# Allegro board BeagleBone-AI.brd (continued)
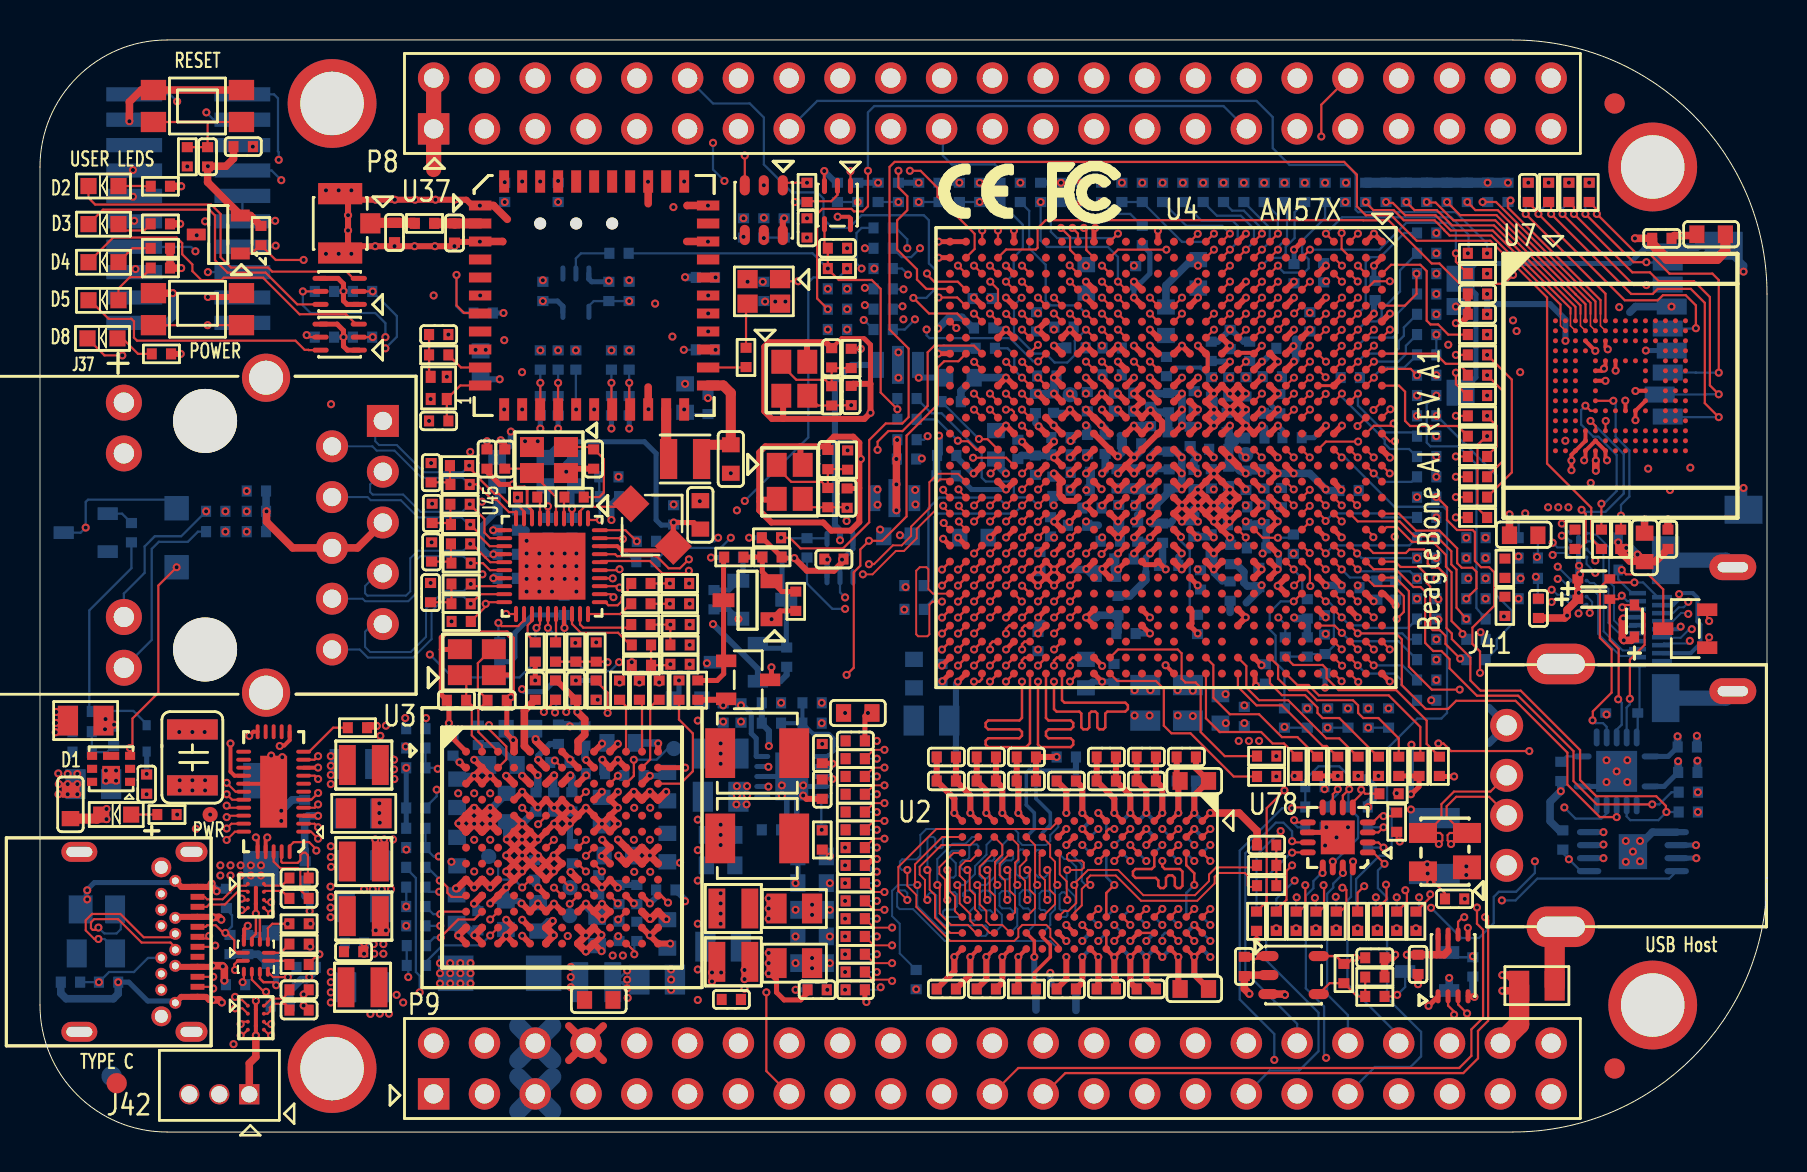
[diagram p0: board, top side]
## Copper pours and planes (outline as drawn; the poured copper is in the pictures) (continued)
GND on SIG_L5: 83.39,29.97 82.52,29.11 82.52,27.51 83.64,26.39 83.64,24.69 83.24,24.28 78.36,24.28 77.55,25.1 74.45,25.1 73.28,23.93 73.28,22.48 74.68,21.08 82.04,21.08 83.34,19.79 83.34,13.16 82.55,12.37 74.12,12.37 73.18,11.43 73.18,9.17 74.73,7.62 76.1,7.62 76.53,7.19 76.53,4.9 74.93,3.3 71.04,3.3 68.25,6.1 25.91,6.1 23.11,3.3 10.13,3.3 8.1,5.33 8.1,14.53 6.63,16 4.27,16 3.73,16.54 3.73,19.35 4.47,20.09 12.88,20.09 13.51,20.73 13.51,37.59 10.9,40.21 4.47,40.21 4.32,40.36 4.32,48.49 5.84,50.01 11.15,50.01 12.67,48.49 17.42,48.49 19.25,50.32 73.25,50.32 78.75,44.82 81.22,44.82 83.39,42.65 ; 17 cut-outs
GND on SIG_L8: 5.84,50.01 11.15,50.01 12.67,48.49 17.42,48.49 19.25,50.32 75.59,50.32 76.33,49.58 76.33,47.24 78.75,44.82 81.22,44.82 83.39,42.65 83.39,29.97 82.52,29.11 82.52,27.51 83.64,26.39 83.64,24.69 83.06,24.1 78.61,24.1 77.62,25.1 74.45,25.1 73.28,23.93 73.28,22.48 74.68,21.08 82.04,21.08 83.34,19.79 83.34,13.16 82.55,12.37 74.12,12.37 73.18,11.43 73.18,9.17 74.73,7.62 76.1,7.62 76.53,7.19 76.53,4.9 74.93,3.3 71.68,3.3 71.35,3.63 71.35,4.45 70.41,5.38 22.71,5.38 20.62,3.3 19.38,3.3 16.59,6.1 12.93,6.1 10.08,3.25 8.43,3.25 8.1,3.58 8.1,14.53 6.63,16 4.27,16 3.73,16.54 3.73,19.35 4.47,20.09 12.88,20.09 13.64,20.85 13.64,39.09 12.52,40.21 4.47,40.21 4.32,40.36 4.32,48.49 ; 22 cut-outs
GND on GND_L9: 5.84,50.01 11.15,50.01 12.67,48.49 17.42,48.49 19.25,50.32 75.54,50.32 76.3,49.56 76.3,47.27 78.75,44.82 81.22,44.82 83.39,42.65 83.39,29.97 82.52,29.11 82.52,27.51 83.64,26.39 83.64,24.69 83.06,24.1 78.61,24.1 77.62,25.1 74.45,25.1 73.28,23.93 73.28,22.48 74.68,21.08 82.04,21.08 83.34,19.79 83.34,13.16 82.55,12.37 74.12,12.37 73.18,11.43 73.18,9.17 74.73,7.62 76.1,7.62 76.53,7.19 76.53,4.9 74.93,3.3 19.58,3.3 16.64,6.25 12.9,6.25 10.52,3.86 9.27,3.86 8.84,4.29 8.84,5.51 8.1,6.25 8.1,14.53 6.63,16 4.27,16 3.73,16.54 3.73,19.35 4.47,20.09 12.88,20.09 13.61,20.83 13.61,27.38 12.73,28.27 9.73,28.27 8.84,29.16 8.84,31.55 10.06,32.77 13.28,32.77 13.51,32.99 13.51,39.22 12.52,40.21 4.47,40.21 4.32,40.36 4.32,48.49
GND on SIG_L10: 4.32,48.49 5.84,50.01 11.15,50.01 12.67,48.49 17.42,48.49 19.25,50.32 75.59,50.32 76.33,49.58 76.33,47.24 78.75,44.82 81.22,44.82 83.39,42.65 83.39,29.97 82.52,29.11 82.52,27.51 83.64,26.39 83.64,24.69 83.06,24.1 78.61,24.1 77.62,25.1 74.45,25.1 73.28,23.93 73.28,22.48 74.7,21.06 82.07,21.06 83.34,19.79 83.34,13.16 82.55,12.37 74.12,12.37 73.18,11.43 73.18,9.17 74.73,7.62 76.1,7.62 76.53,7.19 76.53,4.9 74.93,3.3 72.16,3.3 70.03,5.44 22.45,5.44 20.57,3.56 19.33,3.56 16.79,6.1 12.75,6.1 10.52,3.86 9.25,3.86 8.84,4.27 8.84,5.28 8.1,6.02 8.1,14.53 6.63,16 4.27,16 3.73,16.54 3.73,19.35 4.47,20.09 12.88,20.09 13.64,20.85 13.64,39.09 12.52,40.21 4.47,40.21 4.32,40.36 ; 10 cut-outs
GND on GND_L11: 5.84,50.01 11.15,50.01 12.67,48.49 17.42,48.49 19.25,50.32 75.59,50.32 76.33,49.58 76.33,47.24 78.75,44.82 81.22,44.82 83.39,42.65 83.39,29.97 82.52,29.11 82.52,27.51 83.64,26.39 83.64,24.69 83.06,24.1 78.61,24.1 77.62,25.1 74.45,25.1 73.28,23.93 73.28,22.48 74.68,21.08 82.04,21.08 83.34,19.79 83.34,13.16 82.55,12.37 74.12,12.37 73.18,11.43 73.18,9.17 74.73,7.62 76.1,7.62 76.53,7.19 76.53,4.9 74.93,3.3 19.58,3.3 16.64,6.25 12.9,6.25 10.52,3.86 9.27,3.86 8.84,4.29 8.84,5.51 8.1,6.25 8.1,14.53 6.63,16 4.27,16 3.73,16.54 3.73,19.35 4.47,20.09 12.88,20.09 13.61,20.83 13.61,27.38 12.73,28.27 9.73,28.27 8.84,29.16 8.84,31.55 10.06,32.77 13.28,32.77 13.51,32.99 13.51,39.22 12.52,40.21 4.47,40.21 4.32,40.36 4.32,48.49
GND_EARTH on TOP: 0.66,21.36 1.91,21.36 1.98,21.29 1.98,19.84 1.88,19.74 0.61,19.74 0.51,19.84 0.51,21.21
GND_EARTH on GND_L2, GND_L11: 6.38,0.53 2.31,2.26 0.63,6.35 0.63,48.26 2.31,52.3 6.35,53.97 7.37,53.97 7.37,53.57 5.28,53.57 2.36,50.65 2.36,39.22 3.38,38.2 12.17,38.2 12.27,38.1 12.27,37.49 12.01,37.24 11.02,37.24 10.82,37.44 2.9,37.44 2.29,36.83 2.29,22.58 2.92,21.95 10.16,21.95 10.67,22.45 11.4,22.45 11.73,22.12 11.73,21.56 11.53,21.36 3.15,21.36 2.62,20.83 2.62,14.99 2.87,14.73 7.14,14.73 7.72,14.15 7.72,13.92 7.62,13.82 7.04,13.82 6.88,13.97 2.79,13.97 1.42,12.6 1.42,5.86 1.42,5.87 2.44,4.85 6.55,4.85 6.93,5.23 7.44,5.23 7.65,5.03 7.65,4.88 6.3,3.53 6.3,1.68 6.93,1.04 75.9,1.04 79.25,4.39 79.25,7.44 77.29,9.4 74.93,9.4 74.73,9.6 74.73,10.74 74.96,10.97 83.64,10.97 84.4,11.73 84.4,21.67 83.54,22.53 75.16,22.53 74.78,22.91 74.78,23.27 75.13,23.62 76.94,23.62 77.29,23.27 83.79,23.27 84.58,24.05 84.58,44.15 75.16,53.57 7.39,53.57 7.39,53.97 75.21,53.97 82.74,49.93 85.73,41.91 85.73,12.7 82.77,4.7 75.34,0.53
VDD_1V8 on TOP: 56.54,29.46 56.9,29.46 57.33,29.03 57.71,29.03 57.78,28.96 57.78,28.45 57.35,28.02 56.85,28.02 56.41,28.45 56.41,29.34
VDD_1V8 on TOP: 54.61,39.47 58.42,39.47 58.65,39.24 58.65,38.1 58.5,37.95 58.12,37.95 57.99,38.07 57.99,38.2 57.56,38.63 55.88,38.63 55.75,38.76 54.76,38.76 54.56,38.96 54.56,39.42
VDD_1V8 on TOP: 51.44,28.63 53.47,28.63 53.62,28.47 53.62,27.74 53.54,27.66 53.24,27.66 52.91,27.99 51.41,27.99 51.33,28.07 51.33,28.52
VDD_1V8 on BOTTOM: 54.51,38.65 58.07,38.65 58.07,39.71 58.05,39.71 58.05,40.1 57.86,40.29 54.71,40.29 54.51,40.1
VDD_1V8 on BOTTOM: 50.19,31.06 50.72,31.06 51.26,31.6 52.35,31.6 52.48,31.47 52.48,31.04 52.32,30.89 51.26,30.89 51,30.63 51,30.45 50.88,30.33 50.24,30.33 50.11,30.45 50.11,30.99
VDD_1V8 on INT_L3: 61.47,32.42 62.65,31.23 62.65,28.4 62.15,27.9 62.15,27.88 56.96,27.88 56.77,28.07 56.77,30.67 56.32,31.12 51.18,31.12 50.93,30.86 50.93,30.42 50.86,30.35 49.83,30.35 49.53,30.66 49.53,38.73 51.17,40.37 51.17,40.63 51.86,40.63 52.15,40.34 52.16,40.34 52.47,40.03 60.3,40.03 61.47,38.86
VDD_1V8 on PWR_L6: 55.63,30.96 56.3,30.29 56.3,29.65 56.73,29.22 57.19,29.22 57.57,28.84 57.57,25.36 56.06,23.85 37.71,23.85 36.8,22.95 33.21,22.95 33.07,23.09 33.07,29.67 34.37,30.96
VDD_1V8 on SIG_L8: 24.6,16.47 30.9,16.47 31.61,17.18 31.61,19.9 34.25,22.54 36.49,22.54 37.05,23.1 37.05,25.62 36.82,25.84 34.81,25.84 33.21,24.24 31.41,24.24 29.5,22.34 29.5,20.31 28.31,19.11 25.03,19.11 24.42,18.5 24.42,16.65
VDD_1V8 on SIG_L8: 61.16,28.57 62.43,28.57 62.99,29.13 67.69,29.13 68.22,29.67 69.85,29.67 71.4,28.12 72.72,28.12 73.53,27.3 73.53,25.68 72.9,25.04 71.35,25.04 70.89,25.5 70.89,26.42 69.95,27.36 69.95,27.53 69.96,27.55 69.96,27.9 69.6,28.27 68.55,28.27 67.87,27.58 63.78,27.58 62.89,26.7 61.62,26.7 60.86,27.46 60.86,28.27
VDD_3V3 on TOP: 57.35,42.77 57.96,42.77 58.06,42.67 58.06,41.3 57.86,41.1 57.43,41.1 57.23,41.3 57.23,42.65
VDD_3V3 on TOP: 72.77,28.5 72.77,28.8 72.44,29.13 72.16,29.13 71.98,29.31 71.98,29.87 72.19,30.07 72.82,30.07 72.87,30.02 72.87,29.26 73,29.13 73.46,29.13 73.58,29.01 73.58,28.45 73.51,28.37 72.9,28.37
VDD_3V3 on TOP: 47.52,40.26 48.69,40.26 48.79,40.16 48.79,39.52 48.69,39.42 47.5,39.42 47.42,39.5 47.42,40.16
VDD_3V3 on TOP: 54.56,42.75 55.17,42.75 55.27,42.65 55.27,41.22 55.14,41.1 54.69,41.1 54.51,41.27 54.51,42.7
VDD_3V3 on TOP: 63.83,27.89 65.28,27.89 65.46,27.71 65.46,27.36 65.3,27.2 64.03,27.2 63.78,27.46 63.78,27.84
VDD_3V3 on TOP: 63.98,31.95 63.2,32.74 62.1,32.74 61.67,32.31 61.39,32.31 61.26,32.44 61.26,32.61 61.39,32.74 61.39,33.45 61.42,33.48 62.59,33.48 63.02,33.05 65.25,33.05 65.41,32.89 65.41,32.08 65.28,31.95
VDD_3V3 on TOP: 62.23,42.77 62.74,42.77 62.81,42.7 62.81,41.88 62.89,41.81 64.31,41.81 64.39,41.73 64.39,41.5 64.16,41.27 63.83,41.27 63.5,41.61 63.04,41.61 62.66,41.22 62.31,41.22 62.13,41.4 62.13,42.67
VDD_3V3 on TOP: 52.15,42.77 52.7,42.77 52.86,42.62 52.86,41.25 52.78,41.17 52.27,41.17 52.1,41.35 52.1,42.72
VDD_3V3 on BOTTOM: 32.72,21.15 35.31,21.15 35.31,21.72 34.8,22.23 32.87,22.23 32.72,22.07
VDD_3V3 on BOTTOM: 28.21,8.51 30.37,8.51 30.48,8.39 30.48,6.6 30.35,6.48 28.21,6.48
VDD_3V3 on INT_L3: 51.74,48.95 65.63,48.95 66.61,47.97 66.61,47.21 66.36,46.95 65.39,46.95 65.27,46.82 65.27,42.43 64.27,41.44 52.39,41.44 50.99,42.84 50.99,48.2
VDD_3V3 on INT_L3: 35.51,19.69 30.8,14.97 28.23,14.97 27.75,15.46 27.75,18.1 28.96,19.3 31.22,19.3 34.49,22.58 35.36,22.58 35.51,22.43
VDD_3V3 on INT_L3: 68.12,27.43 66.29,29.26 64.92,29.26 64.74,29.08 64.74,28.73 65.28,28.19 66.19,28.19 66.98,27.41 66.98,26.44 66.37,25.83 66.37,24.39 66.06,24.08 63.17,24.08 62.51,24.74 62.51,27.64 62.92,28.04 62.92,29.92 63.25,30.25 65.43,30.25 65.79,30.61 69.49,30.61 70.26,29.85 70.26,27.61 70.08,27.43
VDD_3V3 on SIG_L5: 31.89,38.95 33.57,37.27 33.57,33.44 33.08,32.96 30.44,32.96 30.44,32.25 28.59,30.39 28.56,30.39 27.64,29.46 27.64,27.1 26.92,26.39 24.23,26.39 23.23,25.39 20.05,25.39 18.86,26.58 18.86,40.2 19.22,40.55 22.52,40.55 23.66,41.69 32.75,41.69 32.92,41.53 32.92,40.88 31.89,39.85
VDD_3V3 on SIG_L5: 46.51,41.91 49.71,41.91 50.04,41.58 50.04,40.03 49.94,39.93 47.32,39.93 47.09,40.16 47.09,41.05 46.86,41.27 46.43,41.27 46.33,41.38 46.33,41.73
VDD_3V3 on SIG_L5: 26.04,12.6 26.37,12.27 28.4,12.27 28.7,12.57 28.7,17.25 28.42,17.53 26.87,17.53 26.04,16.69
VDD_3V3 on SIG_L5: 8.13,6.25 8.13,13.72 6.55,15.29 6.55,19.79 6.77,20 6.78,19.99 12.88,19.99 13.59,20.7 18.54,20.7 19.08,20.17 19.08,19.53 18.64,19.1 17.35,19.1 17.06,18.81 17.06,17.23 15.7,15.88 15.7,5.69 16.38,5 23.09,5 23.55,4.55 23.55,1.04 23.34,0.84 11.61,0.84 11.56,0.89 11.56,2.9 10.57,3.89 9.27,3.89 8.86,4.29 8.86,5.51
VDD_3V3 on SIG_L5: 35.09,28.89 40.63,28.89 40.88,28.64 40.88,28.23 38.65,26 38.65,22.26 37.55,21.17 34.15,21.17 33.85,21.48 33.85,22.36 34.73,23.25 34.73,28.54
VDD_3V3 on SIG_L5: 66.85,29.85 70.21,29.85 70.51,29.54 70.51,24.97 69.98,24.43 68.63,24.43 68.07,24.99 66.65,24.99 66.27,25.37 66.27,26.67 66.08,26.86 65.14,26.86 64.92,27.08 64.92,28.78 65.18,29.03 66.04,29.03
VDD_3V3 on PWR_L6: 7.8,48.39 17.42,48.39 18.21,49.17 71.22,49.17 71.83,48.56 71.83,45.54 74.04,43.33 74.04,30.96 74.65,30.35 78.94,30.35 79.6,31.01 79.6,44.04 80.31,44.75 81.05,44.75 83.34,42.47 83.34,30.05 82.47,29.18 82.47,27.48 83.34,26.62 83.34,24.59 82.98,24.23 82.98,24.21 78.59,24.21 77.67,25.12 74.45,25.12 73.25,23.93 73.25,22.48 74.73,21.01 82.09,21.01 83.31,19.79 83.31,15.93 83.11,15.72 76.53,15.72 76.07,15.27 70.23,15.27 68.91,13.94 68.91,12.14 69.6,11.46 72.67,11.46 73.1,11.02 73.1,9.22 74.8,7.52 76.07,7.52 76.45,7.14 76.45,6.12 73.66,3.33 20.88,3.33 20.57,3.63 20.57,5.61 20.9,5.94 22.99,5.94 25.83,8.79 34.7,8.79 37.24,6.25 56.74,6.25 68.05,17.55 68.05,43.79 63.63,48.21 22.58,48.21 14.61,40.23 5.99,40.23 5.51,40.72 5.51,46.1
VDD_3V3 on PWR_L7: 83.31,41.81 83.31,29.95 81.86,28.5 71.15,28.5 69.77,29.87 65.23,29.87 64.82,30.28 64.82,35.26 58.85,41.22 54.38,41.22 54.18,41.43 54.18,41.86 54.56,42.24 82.88,42.24
VDD_3V3 on PWR_L7: 71.31,44.28 40.81,44.28 31.67,35.15 31.67,29.46 31.22,29.01 28.24,29.01 28.07,29.18 28.07,32.66 26.8,33.93 16.26,33.93 13.97,36.22 13.97,40 13.11,40.87 6.83,40.87 6.12,41.58 6.12,48.84 7.09,49.81 11.15,49.81 12.5,48.46 71.15,48.46 71.68,47.93 71.68,44.65
VDD_3V3 on SIG_L8: 26.26,13.44 29.26,13.44 29.84,12.85 29.84,6.96 29.64,6.76 26.21,6.76 25.81,7.16 25.81,12.98
VDD_3V3 on SIG_L8: 53.91,41.13 54.76,41.13 54.94,41.31 54.94,42.87 54.55,43.26 51.67,43.26 51.63,43.22 51.63,41.46 52.01,41.08 53.86,41.08
VDD_3V3 on SIG_L8: 13.69,22 15.1,23.41 22.14,23.41 24.47,25.74 26.3,25.74 26.94,25.11 26.94,22.29 26.44,21.79 23.86,21.79 21.83,19.76 20.04,19.76 18.86,18.58 18.07,18.58 17.82,18.83 17.82,19.57 18.73,20.49 18.73,20.87 18.5,21.09 17.41,21.09 16.8,20.49 16.8,15.84 16.38,15.42 13.56,15.42 13.36,15.62 13.36,16.18 11.94,17.6 10.72,17.6 9.25,19.08 9.25,19.96 9.32,20.04 12.88,20.04 13.69,20.85
VDD_3V3 on SIG_L8: 64.01,16.97 64.01,18.87 64.59,19.46 66.4,19.46 69.29,22.35 69.29,23.06 69.16,23.19 68.4,23.19 67.11,24.49 66.52,24.49 65.53,25.48 65.53,26.49 65.79,26.75 69.16,26.75 70.92,24.99 70.92,20.65 66.93,16.66 64.31,16.66
VDD_3V3 on SIG_L8: 25.59,34.43 41.34,34.43 42.23,33.54 42.23,29.6 40.53,27.9 40.53,8.45 39.03,6.95 32.98,6.95 31.9,8.03 31.9,19.51 34.54,22.15 36.75,22.15 37.43,22.82 37.43,25.64 35.9,27.17 26.86,27.17 24.07,29.96 24.07,32.91
VDD_3V3 on SIG_L10: 32.31,27.76 32.79,27.76 34.37,29.34 37.49,29.34 37.87,28.96 37.87,24.1 35.61,21.84 35.61,20.32 35.05,19.76 32.94,19.76 32.13,20.57 32.13,27.58
VDD_3V3 on SIG_L10: 62.33,36.35 62.33,34.66 64.15,32.85 64.56,32.44 64.56,28.57 64.01,28.02 63.2,28.02 62.08,29.14 61.03,29.14 61.03,29.11 60.9,28.98 58.65,28.98 58.64,28.99 54.75,28.99 54.75,32.81 52.76,34.81 52.76,36.59 52.26,37.08 50.66,37.08 49.67,38.07 48.18,39.57 47.49,39.57 47.27,39.79 47.27,40.28 47.51,40.52 51.27,40.52 51.58,40.21 51.58,42.51 52.42,43.35 58.58,43.35 58.58,43.34 60.34,43.34 61.98,44.98 66.09,44.98 67.72,43.36 67.72,38.15 67.08,37.52 63.5,37.52
VDD_3V3 on SIG_L10: 21.26,25.45 21.26,21.01 21.13,20.88 20.39,20.88 19.69,20.17 19.69,15.52 19,14.83 14.05,14.83 13.84,15.04 13.84,15.52 11.38,17.98 10.54,17.98 10.01,18.52 9.07,18.52 8.81,18.77 8.81,19.76 9.07,20.02 12.9,20.02 13.97,21.08 13.97,22.2 14.27,22.5 16.38,22.5 19.69,25.81 20.9,25.81
VDD_5V on TOP: 28,10.41 26.92,10.41 26.92,6.38 25.93,5.38 25.93,3.99 26.42,3.51 28.37,3.51 28.6,3.73 28.6,5.11 28,5.7
VDD_5V on BOTTOM: 30.76,9.96 31.74,9.96 31.8,10.02 31.8,11.02 31.77,11.05 30.37,11.05 30.29,10.97 30.29,10.43
VDD_5V on BOTTOM: 22.86,9.59 22.86,10.86 23.75,10.86 23.75,9.59
VDD_5V on BOTTOM: 28.32,8.83 28.32,10.1 27.05,10.1 27.05,9.02 27.24,8.83
VDD_5V on BOTTOM: 12.19,12 12.19,13.53 8.76,13.53 8.76,12
VDD_5V on BOTTOM: 28.71,14.74 28.71,13.21 28.77,13.15 29.59,13.15 29.65,13.09 31.61,13.09 31.83,13.3 31.83,17.19 31.69,17.33 29.57,17.33 29.41,17.17 29.41,15.44
VDD_5V on BOTTOM: 27.82,20.88 27.82,20.41 27.69,20.28 27.69,19.12 27.9,18.92 28.72,18.92 29.16,19.35 29.16,20.65 29.46,20.96 29.46,22.67 29.27,22.86 28.64,22.86 28.38,22.61 28.38,21.45
VDD_5V on BOTTOM: 22.55,12.53 20.51,12.53 20.21,12.23 20.21,11.46 20.36,11.31 21.16,11.31 21.69,11.84 22.49,11.84 22.7,12.05 22.7,12.38
VDD_5V on BOTTOM: 22.66,16.56 20.26,16.56 20.19,16.49 20.19,14.34 20.34,14.19 21.18,14.19 21.3,14.31 21.3,15.05 21.39,15.14 22.53,15.14 22.67,15.29 22.67,15.95 23.23,16.5 23.83,16.5 24.33,17 24.33,17.6 24.53,17.8 24.53,18.97 25.28,19.72 25.28,20.51 25.15,20.64 24.43,20.64 24.34,20.55 24.34,19.58 23.77,19.01 23.47,19.01 23.35,18.89 23.35,18.14 22.85,17.63 22.85,16.75
VDD_5V on PWR_L7: 82.58,20.5 83.31,19.76 83.31,13.18 82.52,12.4 74.02,12.4 73.08,11.46 73.08,9.14 74.65,7.57 74.65,4.11 73.91,3.38 29.46,3.38 27.58,1.5 26.85,1.5 24.97,3.38 18.08,3.38 15.75,5.71 8.69,5.71 8.14,6.26 8.14,13.02 10.19,15.06 15.49,15.06 19.69,10.87 31.45,10.87 32.17,10.15 32.17,6.87 32.64,6.4 35.09,6.4 35.92,5.58 58.88,5.58 59.25,5.94 59.26,5.94 59.74,6.43 59.74,8.74 60.2,9.19 60.86,9.19 62.26,10.59 62.26,15.24 62.95,15.94 71.29,15.94 72.11,16.76 72.11,18.69 73.91,20.5
VDD_5V on SIG_L10: 20.89,20.54 31.05,20.54 31.71,19.88 31.71,8.45 30.06,6.79 20.46,6.79 20.05,7.2 20.05,19.7
VDD_CAPE_5V on BOTTOM: 23.06,6.76 23.06,8.84 23.24,9.02 25.91,9.02 26.1,8.83 26.1,0.88 25.83,0.61 21.16,0.61 20.85,0.91 20.85,6.15 21.18,6.48 22.78,6.48
VDD_CORE on TOP: 55.42,37.08 57.15,37.08 57.28,36.96 57.28,35.51 57.38,35.41 57.89,35.41 58.04,35.26 58.04,34.87 57.86,34.7 56.59,34.7 56.44,34.85 56.44,35.71 55.35,36.8 55.35,37.01
VDD_CORE on TOP: 53.42,32.64 55.91,32.64 56.06,32.49 56.06,32.31 55.75,32 53.57,32 53.34,32.23 53.34,32.56
VDD_CORE on TOP: 54.79,30.28 55.98,30.28 56.13,30.12 56.13,29.82 55.91,29.59 54.71,29.59 54.58,29.72 54.58,30.07
VDD_CORE on TOP: 15.81,19.37 15.81,15.21 15.71,15.11 14.43,15.11 14.35,15.19 14.35,19.22 14.5,19.37
VDD_CORE on TOP: 54.28,35.51 55.47,35.51 55.63,35.36 55.63,35.08 55.27,34.72 54.23,34.72 54.1,34.85 54.1,35.33
VDD_CORE on TOP: 53.49,39.47 54.2,39.47 54.43,39.24 54.43,38.1 54.33,38 54,38 53.34,38.66 53.34,39.32
VDD_CORE on BOTTOM: 53.57,32.49 55.83,32.49 55.93,32.38 55.93,31.98 55.83,31.88 53.57,31.88 53.52,31.93 53.52,32.44
VDD_CORE on BOTTOM: 55.35,37.29 57.07,37.29 57.33,37.03 57.33,35.71 57.45,35.59 57.96,35.59 58.12,35.43 58.12,35.18 57.89,34.95 57.1,34.95 56.9,35.15 56.9,36.45 56.67,36.68 55.4,36.68 55.27,36.8 55.27,37.21
VDD_CORE on BOTTOM: 53.57,31.93 55.85,31.93 55.85,32.41 53.57,32.41
VDD_CORE on PWR_L7: 14.26,17.03 14.26,23.25 14.29,23.25 15.25,24.22 26.78,24.22 28.02,25.45 28.02,26.92 29.16,28.07 33.93,28.07 35.18,29.31 35.18,34.21 42.19,41.22 50.83,41.22 51.36,40.69 51.36,39.34 51.87,38.84 52.76,38.84 53.19,39.27 53.19,39.62 53.2,39.64 53.2,40.7 53.37,40.87 58.67,40.87 64.44,35.1 64.44,29.87 64.05,29.48 58.46,29.48 58.13,29.15 54.67,29.15 54.47,29.35 54.47,30.19 54.67,30.39 57.95,30.39 59.35,31.79 59.35,33.9 59.02,34.23 56.55,34.23 56.12,33.79 56.12,32.22 55.82,31.92 55.38,31.92 54.11,33.19 50.76,33.19 50.3,32.73 49.59,32.73 49.44,32.88 43.32,32.88 42.76,32.32 42.76,26.05 38.13,21.41 35.08,21.41 32.79,19.13 32.79,16.51 31.95,15.67 31.95,12.32 30.98,11.34 19.95,11.34
VDD_DDR on TOP: 58.19,29.49 59.23,29.49 59.33,29.39 59.33,28.17 59.18,28.02 58.39,28.02 57.99,28.42 57.99,29.29
VDD_DDR on TOP: 49.86,26.31 50.29,26.31 50.44,26.16 50.44,24.87 50.24,24.66 49.81,24.66 49.71,24.77 49.71,26.16
VDD_DDR on TOP: 61.39,29.49 61.82,29.49 62.08,29.24 62.08,28.32 62.51,27.89 62.51,26.82 62.41,26.72 61.8,26.72 61.72,26.8 61.72,27.13 61.29,27.56 61.29,29.39
VDD_DDR on TOP: 54.69,26.44 55.5,26.44 55.65,26.29 55.65,24.69 55.5,24.54 54.76,24.54 54.61,24.69 54.61,26.37
VDD_DDR on TOP: 37.34,12.04 37.34,7.76 36.32,7.76 36.32,9.92 36.07,10.18 35.07,10.18 35.06,10.16 34.85,10.16 34.85,11.99 34.86,11.99 35.05,12.18 37.2,12.18
VDD_DDR on TOP: 49.86,28.63 51.05,28.63 51.18,28.5 51.18,27.56 50.83,27.2 49.66,27.2 49.38,27.48 49.38,27.97 49.81,28.4 49.81,28.57
VDD_DDR on BOTTOM: 35.43,10.68 34.73,10.68 34.42,11 34.42,13.78 35.23,13.78 35.43,13.58 35.43,12.55 36.02,11.96 36.55,11.96 36.65,11.86 36.65,7.65 36.58,7.57 36.07,7.57 35.79,7.85 35.79,10.33
VDD_DDR on BOTTOM: 58.27,29.21 58.85,29.21 59,29.06 59,28.04 59.23,27.81 59.79,27.81 59.87,27.74 59.87,27.33 59.74,27.2 58.98,27.2 58.45,27.74 58.45,28.47 58.34,28.57 58.22,28.57 58.14,28.65 58.14,29.08
VDD_DDR on BOTTOM: 45.69,18.29 45.54,18.44 45.54,19.28 44.96,19.86 44.96,21.36 45.57,21.97 45.57,22.94 45.39,23.11 43.33,23.11 43.18,23.27 43.18,24 45.36,26.19 45.36,30.23 46.51,30.23 46.63,30.1 46.63,29.18 46.99,28.83 49.02,28.83 49.66,28.19 50.98,28.19 51.26,27.91 51.26,25.25 51.28,25.25 52.4,24.13 53.92,24.13 54.1,23.95 54.1,23.11 51.79,23.11 51.46,22.78 51.46,20.75 51.13,20.42 51.13,18.54 50.88,18.29
VDD_DDR on BOTTOM: 60.76,23.09 60.76,26.04 61.65,26.92 61.65,28.75 61.82,28.93 62.05,28.93 62.18,28.8 62.18,26.87 61.37,26.06 61.37,24.77 61.59,24.54 61.59,23.32 61.32,23.04 60.81,23.04
VDD_DDR on PWR_L7: 34.92,10.34 34.46,10.81 34.46,12.03 36.36,13.93 36.36,19.39 36.49,19.52 39.66,19.52 48.74,28.6 54.08,28.6 54.31,28.83 58.19,28.83 58.53,29.17 69.81,29.17 71.67,27.32 71.67,17.06 71.07,16.46 62.28,16.46 61.72,15.9 61.72,10.64 60.71,9.63 59.84,9.63 59.31,9.09 59.31,6.52 58.72,5.93 36.11,5.93 35.81,6.22 35.81,10.01 35.48,10.34
VDD_DDR on SIG_L10: 54.45,28.14 54.02,27.71 51.44,27.71 50.82,27.09 49.79,27.09 49.63,27.25 49.63,28.17 49.73,28.27 50.2,28.27 50.72,28.79 50.72,30.28 51.12,30.68 51.83,30.68 52.29,31.14 52.29,31.68 53.49,32.88 54.22,32.88 54.45,32.64
VDD_DSPEVE on TOP: 14.34,10.07 14.34,14.4 14.36,14.4 14.5,14.54 15.75,14.54 15.75,9.91 14.5,9.91
VDD_DSPEVE on TOP: 58.32,37.44 60.12,37.44 60.35,37.21 60.35,35.59 60.55,35.38 61.06,35.38 61.16,35.28 61.16,34.85 61.06,34.75 59.99,34.75 59.82,34.92 59.82,35.48 59.72,35.59 59.18,35.59 58.67,35.08 58.67,34.82 58.6,34.75 58.37,34.75 58.22,34.9 58.22,37.34
VDD_DSPEVE on BOTTOM: 58.32,37.11 60.5,37.11 60.63,36.98 60.63,35.69 60.86,35.46 61.34,35.46 61.49,35.31 61.49,34.44 61.44,34.39 60.96,34.39 60.91,34.44 60.91,34.95 60.71,35.15 60.1,35.15 59.94,35.31 59.94,35.56 59.77,35.74 59,35.74 58.9,35.64 58.9,35.23 58.83,35.15 58.5,35.15 58.27,35.38 58.27,37.06
VDD_DSPEVE on BOTTOM: 15.77,9.47 15.57,9.27 14.57,9.27 14.35,9.49 14.35,16.61 14.55,16.81 15.65,16.81 15.77,16.69
VDD_DSPEVE on PWR_L6: 55.45,34.29 55.45,39.04 54.48,40 30.12,40 21.84,31.72 21.84,15.62 16.28,10.06 8.61,10.06 8.08,10.59 8.08,19.84 8.26,20.02 12.9,20.02 13.64,20.75 13.64,38.3 23.22,47.88 63.37,47.88 67.34,43.92 67.34,34.39 66.8,33.86 55.88,33.86
VDD_EMMC on TOP: 73.1,28.14 73.91,28.14 74.3,28.52 74.3,30.48 75.31,31.5 76.53,31.5 77.04,30.99 77.04,29.92 76.96,29.85 75.84,29.85 75.72,29.72 75.72,26.54 75.46,26.29 73.91,26.29 73.66,26.54 72.97,26.54 72.97,28.02
VDD_EMMC on BOTTOM: 60.93,39.29 60.93,41.22 61.19,41.48 63.73,41.48 63.91,41.3 63.91,40.92 63.7,40.72 63.14,40.72 62.92,40.49 62.61,40.49 62.36,40.23 62.36,39.85 62.18,39.67 61.59,39.67 61.44,39.52 61.44,39.29 61.29,39.14 61.09,39.14
VDD_EMMC on SIG_L5: 63.14,40.87 63.14,42.82 64.54,44.22 67.26,44.22 68.38,45.34 70.1,45.34 71.2,46.43 71.2,47.55 71.6,47.96 73.3,47.96 73.61,47.65 73.61,47.09 73.28,46.76 73.28,43.64 72.59,42.95 69.47,42.95 69.01,42.49 66.83,42.49 66.29,43.03 65.53,43.03 65,42.49 65,41.76 64.67,41.43 64.03,41.43 63.73,41.12 63.73,40.84 63.65,40.77 63.25,40.77
VDD_EMMC on PWR_L6: 74.32,31.17 74.32,43.71 72.16,45.87 72.16,47.62 72.54,48.01 75.41,48.01 79.22,44.2 79.22,31.29 78.74,30.81 74.68,30.81
VDD_GPU on TOP: 15.73,6.24 14.44,6.24 14.34,6.34 14.34,9.07 14.61,9.33 15.52,9.33 15.73,9.12
VDD_GPU on TOP: 52.17,37.9 53.29,37.9 54.31,36.88 54.31,35.81 54.2,35.71 53.97,35.71 52.1,37.59 52.1,37.82
VDD_GPU on BOTTOM: 54.08,37.03 53.49,37.62 53.49,38.05 53.39,38.15 52.1,38.15 51.95,38.01 51.95,37.57 52.05,37.46 52.7,37.46 52.82,37.35 52.82,35.86 52.99,35.69 53.34,35.69 53.72,35.31 53.72,33.71 53.82,33.6 54.08,33.6 54.43,33.96 54.43,35.26 54.08,35.61
VDD_GPU on BOTTOM: 15.81,8.05 15.81,6.39 15.7,6.27 14.44,6.27 14.34,6.38 14.34,8.1 14.43,8.19 15.67,8.19
VDD_GPU on SIG_L5: 55.53,34.69 55.53,37.3 54.87,37.96 51.96,37.96 52.01,37.91 52.01,37.17 53.54,35.64 53.54,33.93 53.82,33.66 54.5,33.66
VDD_GPU on PWR_L6: 12.34,9.35 12.73,9.73 16.76,9.73 22.5,15.47 22.5,31.37 30.53,39.4 54.15,39.4 54.99,38.56 54.99,31.67 54.74,31.42 33.81,31.42 32.51,30.12 32.51,9.45 32.28,9.22 25.45,9.22 25.22,8.99 25.22,8.97 22.56,6.3 20.73,6.3 18.26,3.84 13.89,3.84 12.34,5.38
VDD_IVA on TOP: 53.37,31.09 54.28,31.09 54.43,30.94 54.43,29.9 54.18,29.64 53.64,29.64 53.29,30 53.29,31.01
VDD_IVA on TOP: 35.92,9.6 35.92,6.3 35.69,6.07 35.05,6.07 34.82,6.3 34.82,7.42 34.92,7.52 34.92,9.52 35.03,9.63 35.89,9.63
VDD_IVA on BOTTOM: 35.43,10.02 35.43,7.04 35.33,6.93 34.71,6.93 34.54,7.1 34.54,8.41 34.42,8.53 34.42,9.87 34.57,10.02
VDD_IVA on PWR_L7: 54.14,30.59 54.06,30.67 52.79,30.67 52.41,30.29 43.75,30.29 43.36,29.9 43.36,26.24 38.16,21.04 35.39,21.04 33.44,19.09 33.44,16.37 32.47,15.41 32.47,7.25 32.77,6.96 35.38,6.96 35.51,7.09 35.51,9.86 35.34,10.02 34.76,10.02 34.12,10.66 34.12,12.28 35.9,14.06 35.9,19.49 36.39,19.98 39.51,19.98 48.39,28.85 53.87,28.85 54.14,29.12
VDD_MPU on TOP: 58.19,33.48 59.36,33.48 59.61,33.22 59.61,32.28 60.02,31.88 60.02,30.73 59.59,30.3 59.59,29.85 59.41,29.67 59.26,29.67 58.5,30.43 55.4,30.43 55.32,30.51 55.32,30.63 56.62,31.93 57.4,31.93 58.17,32.69 58.17,33.45
VDD_MPU on TOP: 38.46,20.19 38.46,13.44 36.58,13.44 36.12,13.89 36.12,15.72 35.66,16.18 34.7,16.18 34.59,16.28 34.59,17.32 34.77,17.5 35.31,17.5 35.59,17.78 35.59,19.86 35.64,19.86 35.97,20.19
VDD_MPU on BOTTOM: 54.69,21.08 59.23,21.08 59.72,20.6 60.3,20.6 60.33,20.62 60.45,20.62 60.6,20.47 60.6,20.27 60.43,20.09 54.56,20.09 54.38,20.27 54.38,20.78
VDD_MPU on BOTTOM: 34.42,14.45 34.42,19.67 35.43,19.67 35.43,14.5 35.22,14.29 35.22,14.27 34.59,14.27
VDD_MPU on BOTTOM: 56.79,31.67 57.33,31.67 57.4,31.75 57.4,32.38 57.45,32.44 58.04,32.44 58.09,32.38 58.09,31.8 58.17,31.72 58.95,31.72 59.06,31.83 59.06,32.49 59.21,32.64 59.72,32.64 59.77,32.59 59.77,29.82 59.66,29.72 59.16,29.72 59.08,29.79 59.08,30.23 58.93,30.38 58.09,30.38 58.01,30.3 56.49,30.3 56.41,30.38 56.41,31.29
VDD_MPU on PWR_L6: 58.01,28.96 57.42,29.55 56.81,29.55 56.64,29.72 56.64,30.3 55.83,31.12 55.83,33.2 56.03,33.4 67.28,33.4 67.69,32.99 67.69,17.83 56.44,6.58 37.47,6.58 34.87,9.17 34.87,9.17 33.25,9.17 33.02,9.4 33.02,22.1 33.32,22.4 37.57,22.4 38.46,23.29 56.46,23.29 58.01,24.84
VDD_TYPE C on TOP: 2.35,16.81 2.48,16.69 8.79,16.69 8.89,16.79 8.89,17.88 8.69,18.08 5.97,18.08 5.84,17.96 5.84,17.48 5.79,17.42 4.93,17.42 4.87,17.48 4.87,18.26 4.74,18.39 2.39,18.39 2.35,18.35
VDD_TYPE C on BOTTOM: 3.05,18.16 4.37,18.16 4.6,17.93 4.6,17.48 4.83,17.25 5.74,17.25 6.17,17.68 6.17,18.44 6.81,19.08 12.14,19.08 12.19,19.02 12.19,14.03 9.94,14.03 9.69,13.78 8.01,13.78 6.91,14.88 3.91,14.88 3.05,15.75
DDR_VREFSTL on BOTTOM: 35.69,12.85 36.04,12.5 36.53,12.5 36.91,12.12 36.91,6.43 37.59,5.74 59,5.74 59.69,6.43 59.69,17.81 61.21,19.33 61.21,19.66 61.09,19.79 52.12,19.79 51.51,19.18 51.51,18.16 51.64,18.03 58.93,18.03 59.18,17.78 59.18,6.71 58.7,6.22 38.02,6.22 37.27,6.97 37.27,13.89 36.47,14.69 36.47,16.74 36.32,16.89 35.94,16.89 35.69,16.64
DDR_VREFSTL on INT_L3: 51.33,30.84 56.21,30.84 56.58,30.47 56.58,28 57.02,27.56 61.52,27.56 61.52,27.53 62.08,26.97 62.08,24.69 62.67,24.09 62.67,19.05 62.17,18.54 59.31,18.54 59.31,23.05 55.05,27.3 53.4,27.3 51.23,29.48 51.23,30.73
MII0A_1.1V on SIG_L10: 22.56,31.83 25.37,31.83 25.55,31.65 25.55,31.09 24.87,30.4 24.16,30.4 23.34,29.59 23.34,27.76 22.96,27.38 22.12,27.38 21.82,27.69 21.82,31.09
MII0D_2.5V on PWR_L7: 8.97,29.06 9.73,28.3 12.8,28.3 13.64,27.46 13.64,25.16 13.94,24.85 26.38,24.85 27.46,25.93 27.46,31.6 26.33,32.73 10.07,32.73 8.97,31.62
TYPEC_VBUS on TOP: 4,18.77 4,19.16 3.91,19.25 0.89,19.25 0.71,19.08 0.71,16.79 0.84,16.66 1.96,16.66 2.08,16.79 2.08,18.47 2.26,18.64 3.87,18.64
TYPEC_VBUS on BOTTOM: 1.85,26.52 3.94,28.6 3.94,29.34 2.82,29.34 1.35,27.86 1.35,18.72 0.63,18.01 0.63,16.81 0.75,16.7 2.36,16.7 2.53,16.87 2.54,16.87 2.54,17.88 1.85,18.57
TYPEC_VBUS on SIG_L8: 0.67,19.77 0.67,5.91 3.43,3.15 10.85,3.15 12.47,4.78 12.47,15.44 8.14,19.77
USB_VBUS on TOP: 68.5,13.64 69.77,13.64 69.98,13.44 69.98,12.8 70.48,12.29 70.48,11.35 70.43,11.3 69.98,11.3 69.93,11.35 69.93,11.96 69.62,12.27 68.63,12.27 68.4,12.5 68.4,13.54
USB_VBUS on BOTTOM: 77.24,15.39 78.26,15.39 78.41,15.24 78.41,13.56 78.33,13.49 77.39,13.49 77.19,13.69 77.19,15.34
USB_VBUS on PWR_L6: 70.36,14.88 76.2,14.88 76.71,15.39 78.84,15.39 79.1,15.14 79.1,12.75 78.74,12.4 74.09,12.4 73.63,11.94 69.62,11.94 69.22,12.34 69.22,13.74
VTT on TOP: 40.03,19.84 40.03,17.88 38.84,17.88 38.84,17.37 40.03,17.37 40.03,14.38 38.84,14.38 38.84,13.87 39.29,13.87 39.29,7.39 39.09,7.39 39.09,6.83 40.54,6.83 40.54,19.84
VTT on BOTTOM: 40.03,19.84 40.03,17.91 39.42,17.91 39.42,17.45 40.03,17.45 40.03,14.22 39.09,14.22 39.09,6.83 40.54,6.83 40.54,19.84
N22353475 on TOP: 29.19,15.54 29.09,15.64 29.09,15.93 29.54,16.38 31.17,16.38 33,18.22 33,19.88 33.31,20.19 34.76,20.19 34.76,17.7 34.53,17.7 32.37,15.54
N22353475 on SIG_L5: 29.14,16.01 29.14,19.86 29.47,20.19 34.01,20.19 34.24,19.96 34.24,16.26 33.99,16.01
N22353588 on TOP: 32.26,13.49 31.24,14.5 29.21,14.5 29.06,14.65 29.06,15.1 29.25,15.29 32.63,15.29 33.27,15.93 34.76,15.93 34.76,13.44 32.31,13.44
N22353588 on SIG_L5: 29.06,15.25 29.39,15.57 34.1,15.57 34.24,15.43 34.24,13.77 33.91,13.44 29.26,13.44 29.06,13.63
N22357225 on TOP: 32.52,10.18 31.7,11 31.7,11.61 31.17,12.14 29.31,12.14 29.08,12.37 29.08,13.06 29.18,13.16 33.81,13.16 34.27,12.69 34.27,10.18
N22357225 on SIG_L5: 29.08,13.06 29.18,13.16 34.01,13.16 34.26,12.9 34.26,10.31 33.88,9.93 29.31,9.93 29.08,10.16
N22362935 on TOP: 23.11,14.42 22.79,14.74 20.95,14.74 20.7,14.99 16.75,14.99 16.57,14.81 16.57,12.76 18.35,12.76 19.49,13.91 22.99,13.91 23.11,14.03
N22362935 on SIG_L5: 16.62,13.53 23.11,13.53 23.24,13.65 23.24,15.6 22.96,15.88 16.69,15.88 16.38,15.57 16.38,13.77
N22362999 on TOP: 19.62,12.38 19.88,12.64 20.9,12.64 21.16,12.9 22.78,12.9 23.11,13.23 23.11,13.23 23.11,13.51 22.96,13.67 19.75,13.67 17.87,11.79 16.59,11.79 16.57,11.77 16.57,9.78 19.25,9.78 19.62,10.15
N22362999 on SIG_L5: 23.11,13.04 22.89,13.27 16.65,13.27 16.38,13 16.38,9.96 16.69,9.65 22.89,9.65 23.11,9.88
N22363275 on TOP: 24.71,10.45 24.35,10.45 24,10.1 24,9.4 17.48,9.4 16.51,8.43 16.51,6.25 16.33,6.07 16.33,5.74 16.43,5.64 24.13,5.64 24.94,6.45 24.94,10.22
N22363275 on SIG_L5: 16.68,5.47 24.71,5.47 25.02,5.78 25.02,10.41 24.51,10.92 23.88,10.92 23.62,10.67 23.62,9.63 23.39,9.4 16.83,9.4 16.26,8.82 16.26,5.89
N22363654 on TOP: 23.07,16.38 23.14,16.46 23.14,16.94 22.91,17.17 21.18,17.17 20.89,17.46 20.89,18.1 19.62,19.37 16.57,19.37 16.57,17.34 17.91,17.34 18.86,16.38
N22363654 on SIG_L5: 23.07,16.38 23.15,16.47 23.15,18.55 22.86,18.85 17.6,18.85 17.51,18.76 17.51,16.57 17.7,16.38
N22363823 on TOP: 28.69,10.43 28.35,10.43 28.25,10.33 28.25,7.51 28.4,7.37 30.3,7.37 31.32,8.38 31.7,8.38 32.72,7.37 34.21,7.37 34.27,7.42 34.27,7.52 34.27,7.52 34.27,9.51 29.61,9.51
N22363823 on SIG_L5: 34.39,6.55 34.39,9.25 34.11,9.52 28.91,9.52 28.42,9.04 28.42,6.52 28.84,6.1 33.93,6.1
N22364166 on TOP: 26.51,10.49 26.06,10.49 25.88,10.31 25.88,9.37 25.78,9.27 25.84,9.21 25.84,7.14 25.86,7.14 26.02,6.97 26.57,6.97 26.67,7.07 26.67,10.33
N22364166 on BOTTOM: 26.19,10.16 26.16,10.13 26.16,9.14 26.35,8.95 26.35,6.57 26.44,6.48 27.42,6.48 27.42,8.27 26.8,8.89 26.8,10.16
N22364166 on SIG_L5: 25.86,6.1 27.69,6.1 27.87,6.28 27.87,9.74 27.58,10.03 25.91,10.03 25.53,9.65 25.53,6.43

Small or netless copper shapes (teardrops, artwork), in the pictures only: 2 on TOP, 2 on BOTTOM

## Text on the board
Ref Des/Silkscreen Bottom: TP7 | TP2 | TP4 | TP11 | TP3 | microSD Card | P2 | U11 | J90
Ref Des/Silkscreen Top: J37 | D4 | D5 | D8 | D2 | D3 | D1 | TYPE C | USER LEDS | RESET | PWR | POWER | USB Host | U45 | J42 | P8 | U3 | P9 | U37 | U2 | U4 | U78 | AM57X | J41 | U7 | BeagleBone AI REV A1
PAGE_OUTLINE: A1 | first release | Second release | BeagleBone AI | 1001001000780 | 2018/12/21 | 2018/12/19 | Peng Wang | Jessie.Yan | W:4.3/S:7.5 | W:4.5/S:6 | W:4.3/S:6 | W:3.7/S:8.3 | W:4/S:7 | W:4/S:6
DISPLAY_TOP: AM572X | SPC
USER_PART_NUM_TOP: TSLKC
USER_PART_NUM_BOTTOM: BSLKC
DISPLAY_BOTTOM: SPS
User.15: TSLK
User.16: BSLK
User.17: ASSEMBLY_TOP
User.18: ASSEMBLY_BOTTOM
User.44: FIGURE | SIZE | 8.0 | 13.78 | 25.591 | 32.0 | 36.0 | 38.0 | 40.0 | 67.0 | 125.0 | 23.622 | 126.0 | 43.307x19.685 | 51.181x19.685 | 59.843x20.0 | 95.0x40.0 | DRILL CHART: TOP to BOTTOM | ALL UNITS ARE IN MILS | TOLERANCE | +0.0/-0.0 | +3.0/-3.0 | +3.937/-1.969 | PLATED | NON-PLATED | QTY | 1789 | 12 | 2 | 3 | 10 | 92 | 4
